# Altium PCB circuit1_pcb_ver2.PcbDoc
Units mil, origin at the board's own origin, x right, y up, seen from the top; angles counter-clockwise.
Board outline 1950 x 1935 mil, 2 copper layers (Top Layer, Bottom Layer); 33 components, 56 nets, 74 pads, 0 vias.
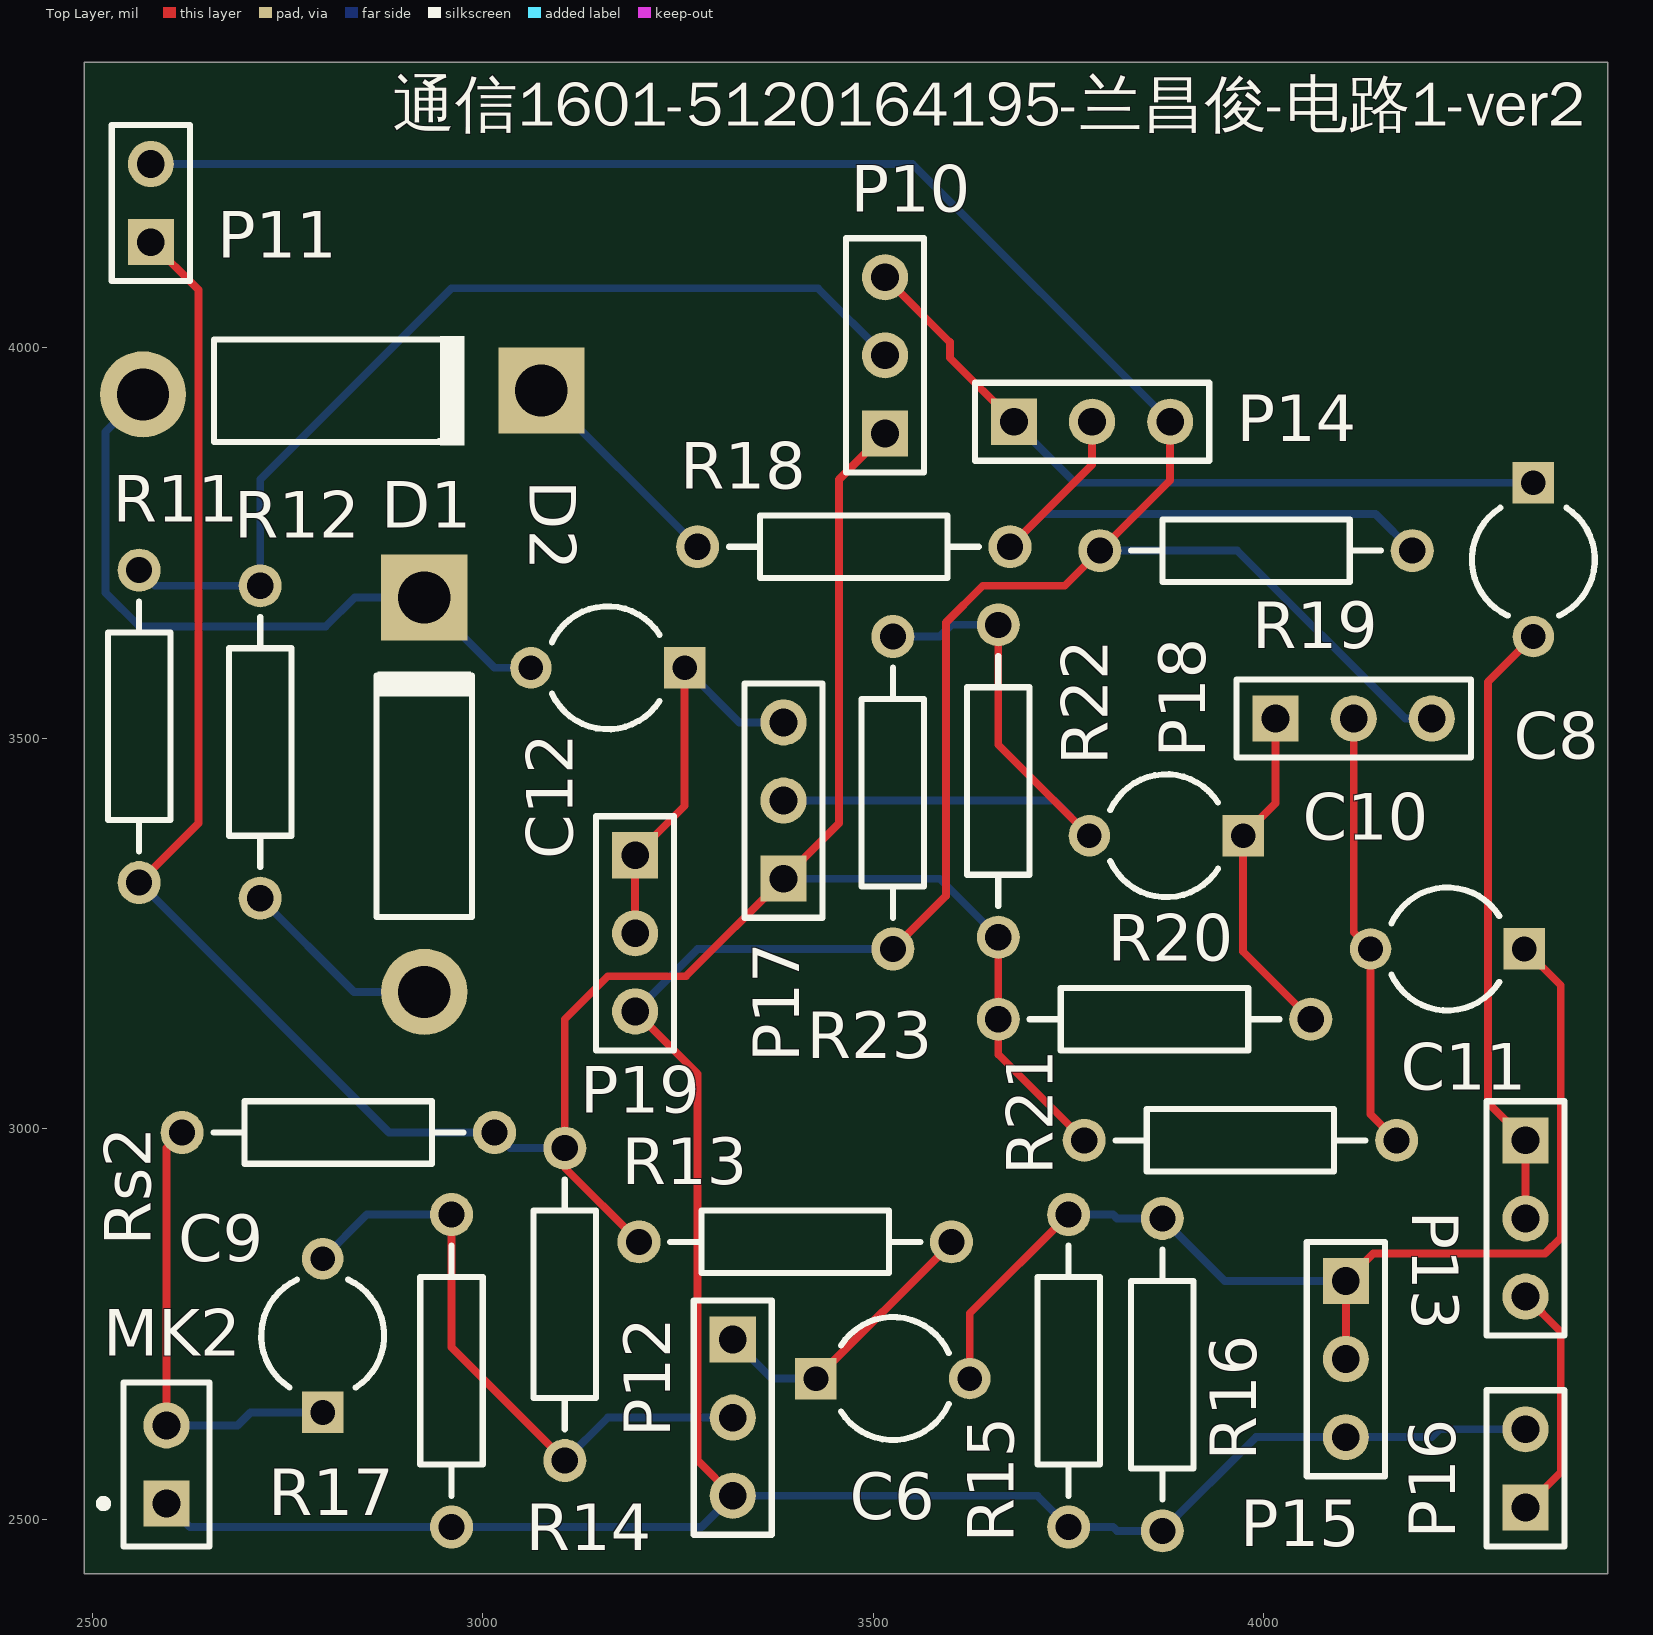
[diagram p0: Top Layer view]
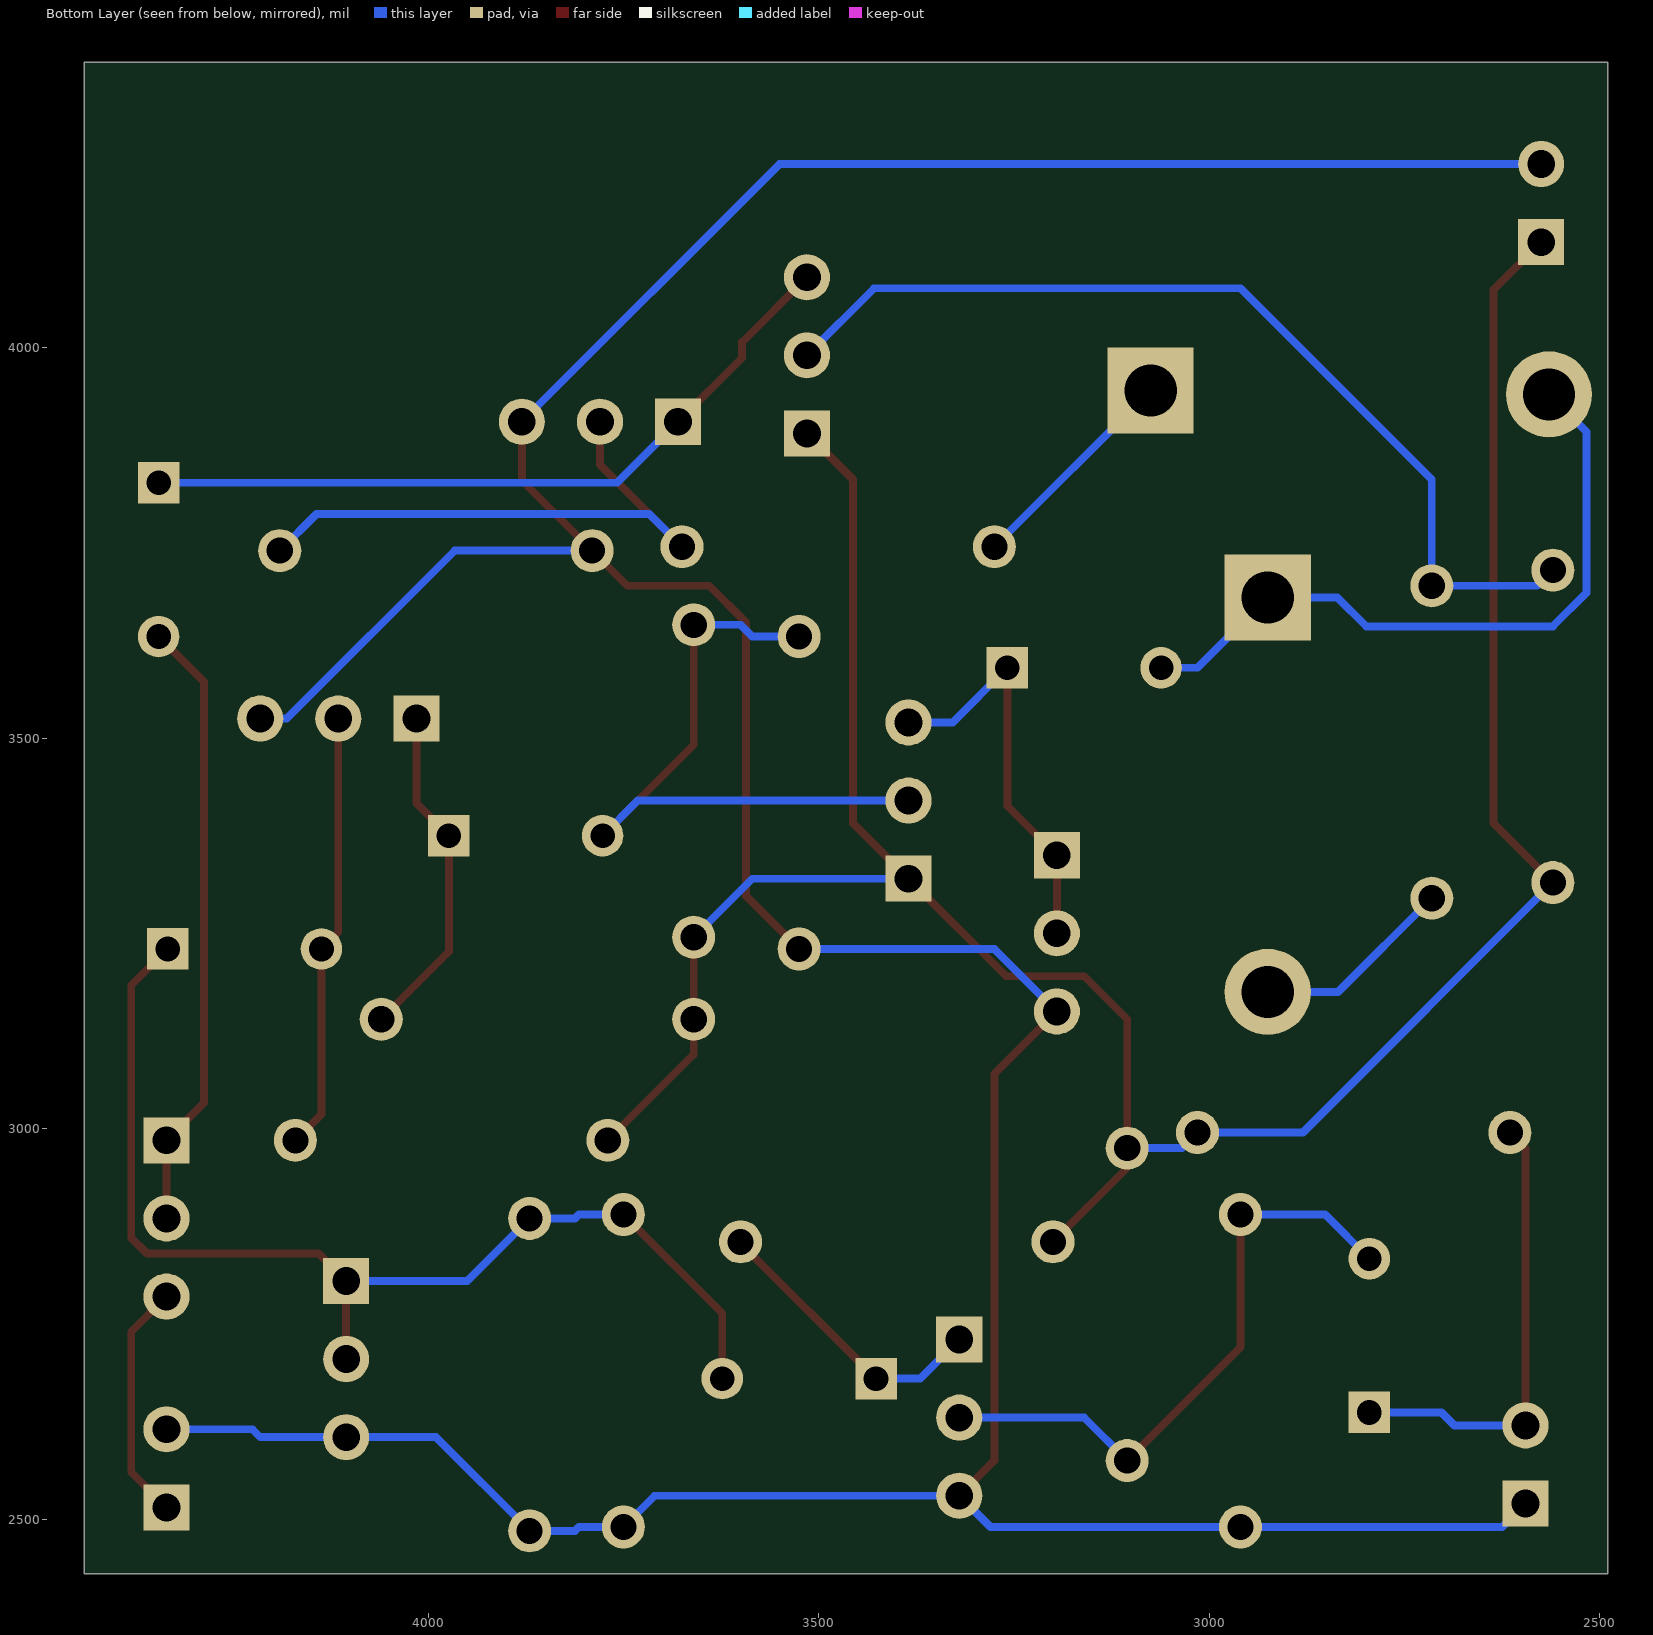
[diagram p1: Bottom Layer view, seen from below]

## Layer stack, top to bottom
Top Solder: solder mask 0.4, Solder Resist, Dk 3.5
Top Layer: signal copper 1.4
Dielectric 1: dielectric 12.6, FR-4, Dk 4.8
Bottom Layer: signal copper 1.4
Bottom Solder: solder mask 0.4, Solder Resist, Dk 3.5

## Board outline
2490,2430 4440,2430 4440,4365 2490,4365

## Design rules (kind name [scope] priority, off if disabled: settings)
Clearance [All] p1: gap=10 ignorepadtopadclearanceinfootprint=FALSE except(0: Arc-Hole Track-Hole SMDPad-Hole THPad-Hole Via-Hole Fill-Hole Poly-Hole Region-Hole Text-Hole)
PolygonConnect [All] p1: connectstyle=Relief reliefconductorwidth=10 reliefentries=4 polygonreliefangle="90 Angle" airgapwidth=10
RoomDefinition circuit1_ver2 [InComponentClass('circuit1_ver2')] p1: confinementstyle=ConfineIn formatcopy=TRUE lockcomponents=FALSE outline 2490,2425 4440,2425 4440,4365 2490,4365
RoutingVias [All] p1: holewidth=28 width=50 viastyle="Through Hole" minholewidth=28 minwidth=50 maxholewidth=28 maxwidth=50
SolderMaskExpansion [All] p1: expansion=4
Width [All] p1: maxlimit=10 minlimit=10 preferedwidth=10
30 further rules are at their usual default settings.

## Components (designator, comment, footprint, x,y, rotation, side; value= is the part's Value field where it differs from the comment)
C6 "Cap2" CAPR5-4X5 3525,2680 r0 top value=100pF
C8 "Cap2" CAPR5-4X5 4345,3728.43 r270 top value=100pF
C9 "Cap2" CAPR5-4X5 2795,2735 r90 top value=100pF
C10 "Cap2" CAPR5-4X5 3875,3375 r180 top value=100pF
C11 "Cap2" CAPR5-4X5 4235,3230 r180 top value=100pF
C12 "Cap2" CAPR5-4X5 3160,3590 r180 top value=100pF
D1 "Diode 1N5408" DO-201AD#1 2935,3460 r90 top
D2 "Diode 1N5408" DO-201AD#2 2845,3900 r0 top
MK2 "Mic2" PIN2 2595,2520 r90 top
P10 "NPN" HDR1X3 3515,3890 r90 top
P11 "Header 2" HDR1X2 2575,4135 r90 top
P12 "NPN" HDR1X3 3320,2730 r270 top
P13 "Res_var" HDR1X3 4335,2985 r270 top
P14 "PNP" HDR1X3 3680,3905 r0 top
P15 "Res_var" HDR1X3 4105,2805 r270 top
P16 "Speaker" HDR1X2 4335,2515 r90 top
P17 "NPN" HDR1X3 3385,3320 r90 top
P18 "NPN" HDR1X3 4015,3525 r0 top
P19 "Res_var" HDR1X3 3195,3350 r270 top
R11 "Res2" AXIAL-0.4 2560,3515 r90 top value=1K
R12 "Res2" AXIAL-0.4 2715,3495 r90 top value=1K
R13 "Res2" AXIAL-0.4 3400,2855 r180 top value=1K
R14 "Res2" AXIAL-0.4 3105,2775 r90 top value=1K
R15 "Res2" AXIAL-0.4 3750,2690 r90 top value=1K
R16 "Res2" AXIAL-0.4 3870,2685 r90 top value=1K
R17 "Res2" AXIAL-0.4 2960,2690 r90 top value=1K
R18 "Res2" AXIAL-0.4 3475,3745 r180 top value=1K
R19 "Res2" AXIAL-0.4 3990,3740 r0 top value=1K
R20 "Res2" AXIAL-0.4 3860,3140 r180 top value=1K
R21 "Res2" AXIAL-0.4 3970,2985 r180 top value=1K
R22 "Res2" AXIAL-0.4 3660,3445 r270 top value=1K
R23 "Res2" AXIAL-0.4 3525,3430 r90 top value=1K
Rs2 "Res2" AXIAL-0.4 2815,2995 r0 top value=1K

## Footprints (in the part's own frame and the unit in brackets; to place one, negate y for a bottom-side part, rotate by r counter-clockwise, add the part's x,y. Pads: shape width x height; smd on the part's side, far side on the other; paste and mask are expansions set on the pad)
AXIAL-0.4 [mm] "Axial Device, Thru-Hole; 2 Leads; 0.4 in Pin Spacing"
  round 1.4 hole 0.85: 1(-5.08,0) 2(5.08,0)
  silkscreen extent -4.06,-1.02 4.06,1.02
CAPR5-4X5 [mm] "Capacitor; 2 Leads"
  rect 1.35x1.35 hole 0.8: 1(-2.5,0)
  round 1.35 hole 0.8: 2(2.5,0)
  silkscreen extent -1.69,-2 1.82,2
DO-201AD#1 [mm] "Diode, Axial; Body 9.5 x 5.6 mm (LxDia. max), Lead Dia. 1.32 mm (max)"
  round 2.8 hole 1.7: 1(-7.239,0.254)
  rect 2.8x2.8 hole 1.7: 2(5.588,0.254)
  silkscreen extent -4.8,-1.3 3.17,1.8
DO-201AD#2 [mm] "Diode, Axial; Body 9.5 x 5.6 mm (LxDia. max), Lead Dia. 1.32 mm (max)"
  round 2.8 hole 1.7: 1(-7.112,1.016)
  rect 2.8x2.8 hole 1.7: 2(5.842,1.143)
  silkscreen extent -4.8,-0.64 3.34,2.92
HDR1X2 [mm] "Connector; Header; 2 Position"
  rect 1.5x1.5 hole 0.9: 1(0,0)
  round 1.5 hole 0.9: 2(2.54,0)
  silkscreen extent -1.27,-1.27 3.81,1.27
HDR1X3 [mm] "Connector; Header; 3 Position"
  rect 1.5x1.5 hole 0.9: 1(0,0)
  round 1.5 hole 0.9: 2(2.54,0) 3(5.08,0)
  silkscreen extent -1.27,-1.27 6.35,1.27
PIN2 [mm] "Photosensitive Diode; 2 Leads"
  rect 1.5x1.5 hole 0.9: 1(0,0)
  round 1.5 hole 0.9: 2(2.54,0)
  silkscreen extent -1.4,-1.4 3.94,2.17

## Part data
C6 C8 C9 C10 C11 C12: "Capacitor", PackageDescription="Capacitor; 2 Leads", PackageReference=CAPR5-4X5, Published=23-Sep-2002, Publisher="Altium Limited"
D1 D2: "3 Amp Medium Power Silicon Rectifier Diode", ComponentLink1Description="Manufacturer Link", ComponentLink1URL=http://www.irf.com/, DatasheetVersion=Aug-1984, LatestRevisionDate=17-Jul-2002, LatestRevisionNote="Re-released for DXP Platform.", PackageDescription="Diode, Axial; Body 9.5 x 5.3 mm (LxDia. max), Lead Dia. 1.32 mm (max)", PackageReference=DO-201AD, Published=8-Jun-2000, Publisher="Altium Limited"
MK2: "Microphone", LatestRevisionDate=17-Jul-2002, LatestRevisionNote="Re-released for DXP Platform.", PackageReference=PIN2, Published=24-Mar-1999, Publisher="Altium Limited"
P10 P12 P13 P14 P15 P17 P18 P19: library part "Header 3", "Header, 3-Pin", LatestRevisionDate=17-Jul-2002, LatestRevisionNote="Re-released for DXP Platform.", Publisher="Altium Limited"
P11: "Header, 2-Pin", LatestRevisionDate=17-Jul-2002, LatestRevisionNote="Re-released for DXP Platform.", Publisher="Altium Limited"
P16: library part "Header 2", "Header, 2-Pin", LatestRevisionDate=17-Jul-2002, LatestRevisionNote="Re-released for DXP Platform.", Publisher="Altium Limited"
R11 R12 R13 R14 R15 R16 R17 R18 R19 R20 R21 R22 R23 Rs2: "Resistor", LatestRevisionDate=17-Jul-2002, LatestRevisionNote="Re-released for DXP Platform.", PackageDescription="Axial Device, Thru-Hole; 2 Leads; 0.4 in Pin Spacing", PackageReference=AXIAL-0.4, Published=8-Jun-2000, Publisher="Altium Limited"

## Nets (pads, with @x,y where several pads share a name; then routed paths per layer and width w, separated by ;. In a path a pad name is that pad's centre, name@x,y a point inside that pad or via, vN(x,y) a via of type N, cw(c..) or ccw(c..) an arc to the next point about the centre after c; other vN are vias at no path point)
GND: MK2.1 P11.2 P12.3 P14.3 P15.3 P16.2 P18.3 P19.3 R15.1 R16.1 R17.1 R19.1 R23.1 | length 5715.7
  Top Layer w10: P19.3 3275,3070 3275,2575 P12.3 ; R23.1 3593,3298 3593,3648 3640,3695 3745,3695 R19.1 3880,3830 P14.3
  Bottom Layer w10: P11.2 3550,4235 P14.3 ; MK2.1 2625,2490 R17.1 3280,2490 P12.3 3710,2530 R15.1 3807,2490 3812,2485 R16.1 3990,2605 P15.3 4215,2605 4225,2615 P16.2 ; P19.3 3275,3230 R23.1 ; R19.1 3966,3740 4181,3525 P18.3
mic1_input: C9.1 MK2.2 Rs2.1 | length 590.1
  Top Layer w10: MK2.2 2595,2975 Rs2.1
  Bottom Layer w10: MK2.2 2686,2620 2702.57,2636.57 C9.1
mic2_input: 
mic3_input: 
mic_input: 
mid1_out0: C12.2 D1.2 D2.1 | length 888.9
  Bottom Layer w10: D2.1 2517,3892 2517,3686 2560,3643 2799,3643 2836,3680 D1.2 3015,3590 C12.2
mid1_out1: P10.1 P11.1 P17.1 R11.1 R13.2 R14.2 R20.2 R21.2 R22.2 Rs2.2 | length 3477
  Top Layer w10: R11.1 2636,3391 2636,4074 P11.1 ; R13.2 3105,2950 R14.2 3105,3140 3160,3195 3260,3195 P17.1 3456,3391 3456,3831 P10.1 ; R22.2 R20.2 3660,3095 R21.2
  Bottom Layer w10: R11.1 2880,2995 Rs2.2 3035,2975 R14.2 ; P17.1 3585,3320 R22.2
mid1_out2: C10.2 P17.2 R22.1 R23.2 | length 869.7
  Top Layer w10: R22.1 3660,3491.57 C10.2
  Bottom Layer w10: P17.2 3731.57,3420 C10.2 ; R23.2 3585,3630 3600,3645 R22.1
mid2_out1: 
mid3_out1: 
mid_out2: 
NetC1_1: 
NetC2_2: 
NetC3_1: 
NetC3_2: 
NetC4_1: 
NetC5_2: 
NetC6_1: C6.1 P12.1 R13.1 | length 374.1
  Top Layer w10: C6.1 3600,2853.43 R13.1
  Bottom Layer w10: P12.1 3370,2680 C6.1
NetC8_1: C8.1 P10.3 P14.1 | length 950.7
  Top Layer w10: P10.3 3598,4007 3598,3987 P14.1
  Bottom Layer w10: P14.1 3758.15,3826.85 C8.1
NetC8_2: C8.2 P13.1 P13.2 | length 788.9
  Top Layer w10: P13.2 P13.1 4287,3033 4287,3572 C8.2
NetC9_2: C9.2 P12.2 R14.1 R17.2 | length 801.3
  Top Layer w10: R17.2 2960,2720 R14.1
  Bottom Layer w10: C9.2 2851.57,2890 R17.2 ; R14.1 3160,2630 P12.2
NetC10_1: C10.1 P18.1 R20.1 | length 438.1
  Top Layer w10: P18.1 4015,3416.57 C10.1 3973.43,3226.57 R20.1
NetC11_2: C11.2 P18.2 R21.1 | length 562.8
  Top Layer w10: P18.2 4115,3251.57 C11.2 4136.57,3018.43 R21.1
NetC12_1: C12.1 P17.3 P19.1 P19.2 | length 521.8
  Top Layer w10: P19.2 P19.1 3258.43,3413.43 C12.1
  Bottom Layer w10: C12.1 3328.43,3520 P17.3
NetC13_1: 
NetC14_2: 
NetC15_1: 
NetC15_2: 
NetC16_1: 
NetC16_2: 
NetC18_2: 
NetC19_1: 
NetC20_2: 
NetC21_1: 
NetC21_2: 
NetC22_1: 
NetC22_2: 
NetC24_2: 
NetD1_1: D1.1 R12.1 | length 259.7
  Bottom Layer w10: R12.1 2835,3175 D1.1
NetD2_2: D2.2 R18.2 | length 282.8
  Bottom Layer w10: D2.2 R18.2
NetD3_1: 
NetP4_1: 
NetP5_2: 
NetP6_3: 
NetP10_2: P10.2 R11.2 R12.2 | length 1236.4
  Bottom Layer w10: R11.2 2580,3695 R12.2 2715,3831 2960,4076 3429,4076 P10.2
NetP13_3: P13.3 P16.1 | length 307.3
  Top Layer w10: P16.1 4380,2560 4380,2740 P13.3
NetP14_2: P14.2 R18.1 R19.2 | length 755.4
  Top Layer w10: R18.1 3780,3850 P14.2
  Bottom Layer w10: R18.1 3717,3787 4143,3787 R19.2
NetP24_2: 
NetP25_3: 
NetP33_2: 
NetP34_3: 
NetP35_2: 
reverse1_out: C6.2 C11.1 P15.1 P15.2 R15.2 R16.2 | length 1439.7
  Top Layer w10: C6.2 3623.43,2763.43 R15.2 ; P15.2 P15.1 4140,2840 4360,2840 4380,2860 4380,3183.43 C11.1
  Bottom Layer w10: R15.2 3807,2890 3812,2885 R16.2 3950,2805 P15.1
reverse2_out: 
reverse3_out: 
reverse_out: 

## Silkscreen, mask and mechanical layers (free items; w line width, h text height)
Top Overlay:
  text "通信1601-5120164195-兰昌俊-电路1-ver2" at 2885,4265 h100
Mechanical 1:
  the board outline again, w10